# Allegro board 038RT-9068CJK8E-A100_0921.brd (continued)
## Routing (per net, layer and track width the routed paths; a pad name or vN(x,y) marks a point on that pad's centre or on a via; arc(x,y) is an arc through that point) (continued)
  L34_SIGNAL w0.105: SLOT1-UP.C12 419.06,349.42 422.87,349.42 423.55,350.1 423.55,379.93 420.21,383.26 267.67,383.26 261.12,376.72 261.12,353.72 259.13,351.72 257.26,351.72 256.58,351.04 256.58,346.34 257.44,345.48 258.9,345.48 261.15,343.23 261.15,322.13 244.26,305.24 244.26,260.01 240.09,255.84 240.09,204.08 244.13,200.05 275.67,200.05 276.86,198.85 ; 277.11,198.6 277.54,198.17 280.56,198.17 281.47,197.26 304.67,197.26 307.16,199.76 312.91,199.76 v1(313.76,198.91)
SLOT1.CH24: length 349.2
  L34_SIGNAL w0.105: SLOT1-UP.B11 421.05,345.67 422.82,345.67 426.08,342.42 426.08,313.34 414.31,301.58 347.16,301.58 342.32,296.74 342.32,278.16 345.05,275.43 355.74,275.43 357.03,274.15 357.03,247.9 365.42,239.51 436.31,239.51 442.62,233.2 442.62,199.18 442.2,198.75 440.36,198.75 437.77,196.16 429.22,196.16 427.77,197.6 427.77,204.31 428.63,205.17 431.97,205.17 433.05,204.08 433.05,199.62 v1(433.76,198.91)
SLOT1.CH25: length 181.8
  L32_SIGNAL w0.105: v2(313.76,258.91) 315.06,260.21 322.83,260.21 333.25,270.63 333.25,291.48 338.17,296.4 413.72,296.4 425.13,307.82 425.13,341.59 SLOT1-UP.A10
SLOT1.CH26: length 98.1
  L21_SIGNAL w0.102: 412.92,269.11 412.83,269.02 412.1,269.02 v1(411.7,268.62)
  L21_SIGNAL w0.105: 412.92,269.11 413.37,269.56 413.37,273.56 412.61,274.32 405.62,274.32 398,281.94 398,291.08 409.43,302.51 409.43,339.6 411.59,341.76 412.23,341.76 413.37,342.9 415.02,342.9 415.78,343.66 417.3,343.66 SLOT1-UP.C10
SLOT1.CH27: length 123.3
  L19_SIGNAL w0.102: 402.5,259.33 402.5,263.42 v1(402.9,263.82)
  L19_SIGNAL w0.105: 402.5,259.33 402.5,257.35 403.98,255.87 422.86,255.87 427.85,260.86 427.85,340.11 424.54,343.41 421.05,343.41 SLOT1-UP.B9
SLOT1.CH28: length 96.2
  L19_SIGNAL w0.102: 414.63,311.9 396.88,294.16 396.88,266.52 397.58,265.82 402.4,265.82 402.5,265.72 402.5,265.02 v1(402.9,264.62)
  L19_SIGNAL w0.105: SLOT1-UP.A8 423.73,340.54 426.45,337.82 426.45,323.72 414.63,311.9
SLOT1.CH29: length 119.3
  L19_SIGNAL w0.102: v1(403.7,263.82) 403.3,263.42 403.3,259.33
  L19_SIGNAL w0.105: SLOT1-UP.C8 419.27,341.63 424.29,341.63 427.34,338.58 427.34,261.24 423.78,257.68 404.61,257.68 403.3,258.99 403.3,259.33
SLOT1.CH30: length 95.8
  L19_SIGNAL w0.102: v1(401.3,264.62) 400.9,265.02 396.81,265.02
  L19_SIGNAL w0.105: 396.81,265.02 396.66,265.02 396.08,265.59 396.08,294.49 425.65,324.05 425.65,336.59 422.89,339.34 420.99,339.34 SLOT1-UP.B7
SLOT1.CH31: length 91.9
  L19_SIGNAL w0.102: 396.81,264.22 400.9,264.22 v1(401.3,263.82)
  L19_SIGNAL w0.105: SLOT1-UP.A6 423.28,336.54 424.85,334.98 424.85,324.39 395.28,294.82 395.28,265.26 396.33,264.22 396.81,264.22
SLOT1.CH32: length 317.4
  L44_SIGNAL w0.105: SLOT1-DOWN.B24 421.19,139.61 422.78,139.61 425.43,142.27 425.43,145.29 457.18,177.04 467.34,177.04 493.38,203.07 559.39,203.07 564.21,207.9 585.17,207.9 587.23,209.96 587.23,221.58 584.95,223.87 584.95,227.97 581.52,231.39 581.52,235.84 581.92,236.24 581.92,244.5 588.4,250.97 588.4,271.25 581.75,277.9 549.87,277.9 546.59,281.18 546.59,285.44 v2(545.96,286.07)
  BOTTOM w0.115: UNK3R347.2 v2(545.96,286.07)
SLOT1.CH33: length 315.9
  L44_SIGNAL w0.105: SLOT1-DOWN.A23 425.94,140.37 425.94,143.94 457.27,175.26 468.99,175.26 496.43,202.69 559.55,202.69 564.37,207.52 585.33,207.52 587.61,209.8 587.61,221.74 585.33,224.03 585.33,228.85 582.79,231.39 582.79,244.86 588.76,250.82 588.76,271.4 581.9,278.26 550.02,278.26 547.86,280.42 547.86,285.44 v2(547.23,286.07)
  BOTTOM w0.115: UNK3R348.2 v2(547.23,286.07)
SLOT1.CH34: length 74
  L21_SIGNAL w0.102: v1(412.5,203.02) 414.42,203.02 415.34,202.1 415.34,198.36 411.49,194.51 411.49,168.94 410.38,167.83 410.38,155.02 417.24,148.16 417.24,137.55 SLOT1-DOWN.C23
SLOT1.CH35: length 108.4
  L21_SIGNAL w0.105: v1(435.17,226.73) 432.27,226.73 421.33,215.8 421.33,200.99 414.72,194.37 414.72,191.45 413.32,190.06 413.32,169.33 411.24,167.25 411.24,157.29 421.2,147.32 421.2,135.63 SLOT1-DOWN.B22
  BOTTOM w0.115: v1(435.17,226.73) UNK1RR934.2
SLOT1.CH36: length 106.4
  L21_SIGNAL w0.105: SLOT1-DOWN.A21 424.1,134.53 424.1,146.05 417.76,152.39 417.76,189.71 416.15,191.33 416.15,193.75 422.17,199.77 422.17,215.43 431.44,224.7 v1(435.17,224.7)
  BOTTOM w0.115: v1(435.17,224.7) UNK1RR531.2
SLOT1.CH37: length 86
  L21_SIGNAL w0.102: SLOT1-DOWN.C21 419.13,133.56 419.13,147.64 410.78,156 410.78,167.58 412.58,169.38 412.58,190.23 413.78,191.43 413.78,195.21 416.73,198.17 416.73,205.78 413.5,209.02 412.1,209.02 v1(411.7,208.62)
SLOT1.CH38: length 382.2
  L34_SIGNAL w0.105: SLOT1-DOWN.B20 421.13,129.67 422.64,129.67 424.54,127.76 424.54,112.37 433.09,103.82 436.97,103.82 438.04,104.89 438.95,104.89 440.15,103.69 447.33,103.69 454.21,110.57 454.21,158.98 471.15,175.92 471.15,182.37 476.49,187.71 476.49,287.02 470.77,292.74 352.19,292.74 v1(343.73,284.28)
SLOT1.CH39: length 313.9
  L32_SIGNAL w0.105: v1(343.73,224.28) 346.91,227.46 383.52,227.46 385.05,228.98 433.05,228.98 434.07,230 438.13,230 439.15,228.98 467.09,228.98 470.39,225.68 470.39,199.9 469.25,198.75 469.25,189.92 455.52,176.19 455.52,109.29 447.87,101.65 440.23,101.65 439.61,101.03 437.52,101.03 436.65,101.9 427.8,101.9 424.93,104.78 424.93,122.43 423.78,123.57 423.78,127.01 SLOT1-DOWN.A19
SLOT1.CH40: length 334.9
  L34_SIGNAL w0.105: SLOT1-DOWN.C19 417.25,129.54 414.77,129.54 414.13,128.91 412.73,128.91 411.84,129.79 407.4,129.79 402.7,134.49 402.7,141.73 390.51,153.92 290.43,153.92 274.81,169.55 229.35,169.55 214.99,183.9 214.99,212.09 219.06,216.15 219.06,279.61 v1(223.73,284.28)
SLOT1.CH41: length 286.2
  L32_SIGNAL w0.105: SLOT1-DOWN.B18 419.03,127.76 415.27,127.76 414.26,128.78 413.24,128.78 412.35,127.89 410.83,127.89 410.07,128.65 406.76,128.65 400.8,134.62 400.8,143.73 381.21,163.32 224.01,163.32 215.12,172.21 215.12,195.07 214.49,195.71 214.49,215.01 v1(223.73,224.26)
SLOT1.CH42: length 105
  L21_SIGNAL w0.105: SLOT1-DOWN.A17 423.48,124.61 424.3,125.44 424.3,127.05 425.98,128.73 425.98,162.38 426.51,162.92 426.51,190.92 425.25,192.19 425.25,214.91 428.94,218.61 v1(435.17,218.61)
  BOTTOM w0.115: v1(435.17,218.61) UNK1RR932.2
SLOT1.CH43: length 112.7
  L21_SIGNAL w0.105: SLOT1-DOWN.C17 419.21,125.64 420.48,125.64 421.1,126.26 421.1,126.73 421.92,127.55 422.61,127.55 425,129.93 425,146.41 418.88,152.53 418.88,190.96 423.38,195.46 423.38,214.42 429.6,220.64 v1(435.17,220.64)
  BOTTOM w0.115: v1(435.17,220.64) UNK1RR931.2
SLOT1.CH44: length 100.1
  L21_SIGNAL w0.105: SLOT1-DOWN.B16 420.94,123.37 423.85,123.37 424.96,124.49 424.96,127.09 427.17,129.3 427.17,211.42 428.48,212.72 430.37,212.72 UNK1K34.2
SLOT1.CH45: length 93.2
  L21_SIGNAL w0.105: SLOT1-DOWN.A15 424.37,120.61 427.9,124.14 427.9,126.86 429.08,128.04 429.08,162.47 429.75,163.14 429.75,207.39 430.59,208.23 v1(430.59,209.07)
SLOT1.CH46: length 100.1
  L21_SIGNAL w0.105: UNK1K34.7 432.32,211.63 428.33,207.65 428.33,162.49 427.92,162.08 427.92,127.84 427.22,127.14 427.22,124.47 424.09,121.34 418.91,121.34 SLOT1-DOWN.C15
SLOT1.CH47: length 92.4
  L21_SIGNAL w0.105: SLOT1-DOWN.B14 420.9,117.89 425.26,117.89 429.85,122.49 429.85,153.34 432.93,156.41 432.93,200.61 v1(433.76,201.45)
SLOT1.CH48: length 103.2
  L21_SIGNAL w0.105: v1(433.76,209.07) 436.23,206.6 436.23,158.19 431.57,153.54 431.57,119.42 428.76,116.61 SLOT1-DOWN.A13
SLOT1.CH49: length 99.2
  L21_SIGNAL w0.105: v2(433.76,203.99) 434.72,203.03 434.72,157.44 431.04,153.76 431.04,121.67 426.7,117.34 418.91,117.34 SLOT1-DOWN.C13
SLOT1.CH50: length 107.7
  L21_SIGNAL w0.105: SLOT1-DOWN.B12 421.18,115.61 429.29,115.61 432.05,118.36 432.05,153.34 438.39,159.68 438.39,193.36 438.77,193.74 438.77,207.24 v1(436.94,209.07)
SLOT1.CH51: length 128.4
  L21_SIGNAL w0.105: SLOT1-DOWN.A11 430.6,112.61 433.09,115.1 433.09,152.91 439.52,159.33 439.52,184.65 443.56,188.68 443.56,200.05 440.67,202.93 440.67,208.05 438.39,210.34 438.39,224.11 v1(438.98,224.7)
  BOTTOM w0.115: v1(438.98,224.7) UNK1RR534.2
SLOT1.CH52: length 128.7
  L21_SIGNAL w0.105: SLOT1-DOWN.C11 419.16,111.63 430.55,111.63 433.65,114.73 433.65,152.66 440.42,159.43 440.42,184.28 445.46,189.32 445.46,212.13 v1(438.98,218.61)
  BOTTOM w0.115: v1(438.98,218.61) UNK1RR532.2
SLOT1.CH53: length 133.5
  L21_SIGNAL w0.105: SLOT1-DOWN.B10 421,109.79 431.25,109.79 434.12,112.66 434.12,152.29 441.02,159.18 441.02,180.33 444.69,184 444.69,186.92 447.51,189.74 447.51,213.64 441.44,219.71 439.91,219.71 v1(438.98,220.64)
  BOTTOM w0.115: v1(438.98,220.64) UNK1RR530.2
SLOT1.CH54: length 372.5
  L34_SIGNAL w0.105: v1(343.73,290.66) 348.35,295.27 472.3,295.27 479.28,288.29 479.28,188.72 472.17,181.61 472.17,175.07 455.82,158.72 455.82,106.81 448.84,99.83 440.5,99.83 439.5,100.84 438.25,100.84 437.32,99.9 434.1,99.9 431.27,102.74 428.06,102.74 SLOT1-DOWN.A9
SLOT1.CH55: length 315.5
  L32_SIGNAL w0.105: v1(343.73,230.66) 347.01,233.93 471.28,233.93 474.33,230.89 474.33,206.14 472.02,203.83 472.02,189.69 457.51,175.19 457.51,107.47 447.78,97.73 440.37,97.73 439.56,96.92 437.97,96.92 437.05,97.83 426.35,97.83 422.89,101.29 422.89,107.06 422.39,107.57 419.22,107.57 SLOT1-DOWN.C9
SLOT1.CH56: length 368.9
  L34_SIGNAL w0.105: SLOT1-DOWN.B8 419.35,107.44 415.53,107.44 414.13,108.84 413.24,108.84 412.23,107.82 411.08,107.82 410.32,108.58 403.84,108.58 398.51,113.92 398.51,141.1 387.84,151.76 288.91,151.76 272.78,167.89 227.95,167.89 211.69,184.15 211.69,212.85 216.39,217.55 216.39,283.31 v1(223.73,290.66)
SLOT1.CH57: length 317.7
  L32_SIGNAL w0.105: v1(223.73,230.66) 211.57,218.49 211.57,170.05 220.33,161.29 376.89,161.29 395.72,142.46 395.72,119 408.67,106.04 411.84,106.04 412.99,104.9 414.77,104.9 415.53,105.66 421.13,105.66 SLOT1-DOWN.A7
SLOT1.CH58: length 142.6
  L21_SIGNAL w0.105: SLOT1-DOWN.C7 419.41,105.84 431.34,105.84 434.68,109.18 434.68,151.84 441.73,158.89 441.73,179.95 448.12,186.33 448.12,215.7 442.07,221.74 439.91,221.74 v1(438.98,222.67)
  BOTTOM w0.115: v1(438.98,222.67) UNK1RR935.2
SLOT1.CH60: length 181.1
  L21_SIGNAL w0.105: S1_TAPSL0.2 564.63,50.2 564.63,68.96 556.63,76.95 446.87,76.95 433.94,89.89 433.94,95.38 429.24,100.08 422.72,100.08 SLOT1-DOWN.A5
  BOTTOM w0.115: UNK1RD79.2 S1_TAPSL0.2
SLOT1.CH61: length 172.3
  L21_SIGNAL w0.105: S1_TAPSL1.2 554.21,50.45 554.21,64.65 542.74,76.12 446.53,76.12 433.1,89.54 433.1,95.05 428.66,99.49 419.3,99.49 SLOT1-DOWN.C5
  BOTTOM w0.115: UNK1RD80.2 S1_TAPSL1.2
SLOT1.CH62: length 350.9
  L44_SIGNAL w0.105: v2(110.76,45.55) 110.76,59.98 116.44,65.66 404.69,65.66 421.14,82.11 421.14,97.66 SLOT1-DOWN.B4
SLOT1.CH63: length 166
  L21_SIGNAL w0.105: v1(343.73,203) 343.73,177.51 349.12,172.12 384.92,172.12 398.36,158.69 398.36,111.46 407.98,101.84 411.96,101.84 412.95,100.84 414.3,100.84 415.45,99.69 415.45,98.14 415.96,97.63 421.16,97.63 SLOT1-DOWN.A3
SLOT1.CH65: length 232
  L21_SIGNAL w0.105: v1(343.73,213.31) 344.51,214.09 344.51,257.82 340.32,262.01 340.32,278.55 341.92,280.15 341.92,315.8 354.74,328.62 354.74,376.74 360.07,382.07 408.39,382.07 SLOT1-UP.F27
SLOT1.CH66: length 152.9
  L21_SIGNAL w0.105: SLOT1-UP.E25 409.91,375.77 399.02,364.87 399.02,313.06 379.07,293.12 357.87,293.12 346.19,281.43 346.19,268.62 v1(343.73,266.17)
SLOT1.CH67: length 111.7
  L21_SIGNAL w0.105: SLOT1-UP.D25 413.13,374.54 412.48,373.89 410.7,373.89 400.16,363.35 400.16,311.4 373.93,285.17 UNK3K223.3
SLOT1.CH68: length 153.3
  L21_SIGNAL w0.105: SLOT1-UP.F25 411.55,374.9 410.19,374.9 399.65,364.36 399.65,312.42 378.82,291.59 357.87,291.59 346.82,280.54 346.82,266.06 v1(343.73,262.97)
SLOT1.CH69: length 114
  L21_SIGNAL w0.105: UNK3K11.3 374.44,277.55 378.32,281.43 378.32,285.75 401.18,308.61 401.18,361.57 411.37,371.77 SLOT1-UP.E23
SLOT1.CH70: length 135.6
  L32_SIGNAL w0.105: v1(430.59,261.45) 432.78,259.26 432.78,258.58 433.3,258.06 435.57,258.06 436.2,258.69 436.2,264.55 435.45,265.3 433.91,265.3 433.05,266.16 433.05,269.44 433.58,269.97 434.79,269.97 435.74,270.92 435.74,277 434.5,278.24 434.5,287.7 427.46,294.74 427.46,365.91 423.74,369.64 417.09,369.64 SLOT1-UP.D23
SLOT1.CH71: length 191.8
  L32_SIGNAL w0.105: SLOT1-UP.F23 403.92,363 403.92,313.66 395.37,305.11 332.06,305.11 321.8,294.84 321.8,275.17 320.62,273.99 320.62,265.44 317.76,262.58 311.72,262.58 v1(310.59,261.45)
SLOT1.CH72: length 331.8
  L34_SIGNAL w0.105: v1(430.59,201.45) 429.78,200.64 429.78,198.09 431.25,196.62 437.17,196.62 441.18,200.63 441.18,209.6 440.72,210.07 440.72,212.63 442.03,213.94 442.03,228.89 431.95,238.96 364.64,238.96 354.29,249.31 354.29,269.97 352.53,271.74 343.49,271.74 340.5,274.73 340.5,280.61 341.25,281.36 341.25,298.04 346.11,302.91 394.02,302.91 405.89,314.78 405.89,362.76 410.9,367.77 SLOT1-UP.E21
SLOT1.CH73: length 397.8
  L34_SIGNAL w0.105: v1(310.59,201.45) 309.86,202.17 309.86,209.49 310.75,210.38 310.75,215.46 309.61,216.61 309.61,224.41 294.62,239.4 294.62,245.75 296.66,247.78 296.66,250.44 294.37,252.73 294.37,335.28 284.08,345.57 275.95,345.57 274.76,346.77 273.61,346.77 272.58,345.73 261.38,345.73 259.64,347.47 257.69,347.47 256.9,348.26 256.9,350.92 257.3,351.32 259.38,351.32 261.93,353.87 261.93,375.56 268.6,382.23 419.17,382.23 421.34,380.06 421.34,368.64 420.23,367.53 417.18,367.53 SLOT1-UP.D21
SLOT1.CH74: length 157
  L21_SIGNAL w0.102: 406.5,258.33 406.5,264.85 406.33,265.02 404.1,265.02 v1(403.7,264.62)
  L21_SIGNAL w0.105: 406.5,258.33 406.5,257.29 404.22,255.02 391.02,255.02 380.09,265.94 380.09,286.26 401.81,307.98 401.81,357.89 410.69,366.77 SLOT1-UP.F21
SLOT1.CH75: length 148.9
  L21_SIGNAL w0.102: 405.7,257.74 405.7,258.33 405.7,258.33 405.7,262.62 v1(404.5,263.82)
  L21_SIGNAL w0.105: 405.7,257.74 405.7,257.25 403.84,255.4 391.91,255.4 386.57,260.73 385.94,260.73 382.25,264.41 382.25,287.27 402.45,307.47 402.45,355.6 410.61,363.77 SLOT1-UP.E19
SLOT1.CH76: length 142.5
  L21_SIGNAL w0.102: v1(403.7,262.22) 404.1,261.82 404.1,258.6 404.1,258.6
  L21_SIGNAL w0.105: SLOT1-UP.D19 414.58,360.93 412.86,360.93 412.23,361.57 410.83,361.57 403.72,354.46 403.72,306.83 383.52,286.64 383.52,281.18 389.62,275.08 389.62,260.35 393.3,256.67 403.21,256.67 404.1,257.55 404.1,258.6
SLOT1.CH77: length 142.4
  L21_SIGNAL w0.102: 404.9,258.6 404.9,258.6 404.9,261.82 v1(404.5,262.22)
  L21_SIGNAL w0.105: SLOT1-UP.F19 410.37,362.77 403.08,355.47 403.08,306.97 382.89,286.78 382.89,266.57 384.92,264.54 386.57,264.54 389.11,262 389.11,258.83 391.74,256.2 403.51,256.2 404.89,257.58 404.89,257.74 404.9,257.74 404.9,258.6
SLOT1.CH78: length 129.2
  L21_SIGNAL w0.102: v1(402.9,262.22) 403.3,261.82 403.3,258.6
  L21_SIGNAL w0.105: SLOT1-UP.E17 410.68,359.77 404.26,353.35 404.26,306.36 393.81,295.91 393.81,283.46 390.25,279.91 390.25,260.86 393.65,257.47 402.88,257.47 403.3,257.88 403.3,258.6
SLOT1.CH79: length 109.3
  L21_SIGNAL w0.102: 397.62,265.02 400.1,265.02 v1(400.5,264.62)
  L21_SIGNAL w0.105: 397.62,265.02 395.21,267.43 395.21,295.37 405.45,305.61 405.45,352.38 410.57,357.5 412.23,357.5 412.73,357 414.64,357 SLOT1-UP.D17
SLOT1.CH80: length 107.2
  L21_SIGNAL w0.102: 397.41,264.62 397.82,264.22 400.1,264.22 v1(400.5,263.82)
  L21_SIGNAL w0.105: SLOT1-UP.F17 410.95,358.77 404.86,352.68 404.86,305.83 394.57,295.54 394.57,277.24 393.43,276.1 393.43,272.16 394.51,271.08 394.51,267.53 397.41,264.62
SLOT1.CH81: length 106.7
  L21_SIGNAL w0.102: v1(403.7,265.42) 403.3,265.82 397.36,265.82 396.85,266.33
  L21_SIGNAL w0.105: 396.85,266.33 395.59,267.59 395.59,294.39 406,304.8 406,351.92 409.85,355.77 SLOT1-UP.E15
SLOT1.CH82: length 105
  L21_SIGNAL w0.102: 396.85,267.83 397.25,267.42 403.3,267.42 v1(403.7,267.02)
  L21_SIGNAL w0.105: SLOT1-UP.D15 413.2,354.54 412.35,353.69 410.83,353.69 407.21,350.08 407.21,303.72 396.35,292.86 396.35,268.32 396.85,267.83
SLOT1.CH83: length 102.5
  L21_SIGNAL w0.102: 396.85,267.03 397.25,266.62 403.3,266.62 v1(403.7,266.22)
  L21_SIGNAL w0.105: 396.85,267.03 395.97,267.9 395.97,293.5 406.76,304.29 406.76,351.03 410.5,354.77 SLOT1-UP.F15
SLOT1.CH85: length 90.8
  L21_SIGNAL w0.102: 405.09,273.84 405.3,273.63 v1(405.3,273.42)
  L21_SIGNAL w0.105: 405.09,273.84 397.24,281.69 397.24,291.46 408.67,302.89 408.67,345.06 411.46,347.85 412.35,347.85 413.5,349 414.64,349 SLOT1-UP.D13
  BOTTOM w0.115: UNK3R110.1 v1(405.3,273.42)
SLOT1.CH86: length 142.1
  L44_SIGNAL w0.105: v1(343.73,270.11) 336.17,270.11 333.23,273.05 333.23,294.22 336.77,297.77 371.25,297.77 398.67,325.19 398.67,337.75 SLOT1-UP.F13
SLOT1.CH87: length 110.8
  L44_SIGNAL w0.105: v1(343.73,281.11) 346.31,283.69 346.31,292.85 350.14,296.67 373.42,296.67 400.44,323.69 400.44,337.63 410.57,347.77 SLOT1-UP.E11
SLOT1.CH88: length 193.9
  L44_SIGNAL w0.105: SLOT1-UP.F11 403.88,338.96 403.88,315.53 418.74,300.67 460.75,300.67 483.26,278.16 538.65,278.16 539.66,277.14 v1(539.66,275.26)
  BOTTOM w0.115: v1(539.66,275.26) 539.66,277.39 539.12,277.94 UNK3R328.1
SLOT1.CH89: length 193.4
  L44_SIGNAL w0.105: v1(539.66,273.73) 540.5,274.57 540.5,277.29 539.04,278.75 484.01,278.75 459.71,303.05 418.21,303.05 405.38,315.88 405.38,338.62 410.53,343.77 SLOT1-UP.E9
  BOTTOM w0.115: v1(539.66,273.73) 539.66,272.23 538.49,271.06 UNK3R327.1
SLOT1.CH90: length 123.1
  L19_SIGNAL w0.1: SLOT1-UP.F9 410.06,341.14 410.06,340.24 396.33,326.5 355.31,326.5 344.28,315.47 344.28,276.61 343.51,275.84 342.69,275.84 342.59,275.94 v1(342.59,276.63)
  BOTTOM w0.115: v1(342.59,276.63) 341.94,275.98 MUX1.6
SLOT1.CH91: length 126
  L19_SIGNAL w0.1: SLOT1-UP.E7 413.42,340.56 412.03,341.96 411.39,341.96 410.45,341.01 410.45,340.11 396.48,326.14 355.46,326.14 344.64,315.32 344.64,276.46 343.66,275.47 342.69,275.47 342.59,275.37 v1(342.59,274.68)
  BOTTOM w0.115: v1(342.59,274.68) 341.94,275.33 MUX1.7
SLOT1.CH92: length 142.5
  L19_SIGNAL w0.1: v1(342.59,253.77) 342.59,253.08 342.69,252.98 344.27,252.98 346.19,254.89 346.19,314.45 348.87,317.14 356.45,324.72 397.22,324.72 409.43,336.93 409.85,336.93 SLOT1-UP.F7
  BOTTOM w0.115: MUX10.6 341.94,253.12 v1(342.59,253.77)
SLOT1.CH93: length 143.8
  L19_SIGNAL w0.1: 410.19,336.55 409.56,336.55 397.37,324.36 356.61,324.36 349.24,316.99 349.24,316.99 346.55,314.3 346.55,254.74 344.42,252.61 342.69,252.61 342.59,252.51 v1(342.59,251.82)
  L19_SIGNAL w0.105: SLOT1-UP.E5 410.98,335.77 410.19,336.55
  BOTTOM w0.115: MUX10.7 341.94,252.47 v1(342.59,251.82)
SLOT1.CH94: length 145.6
  L19_SIGNAL w0.1: SLOT1-UP.F5 410.03,333.1 408.27,333.1 398.74,323.58 368.01,323.58 360.43,316 360.43,280.82 356.7,277.1 355.05,277.1 353.57,275.61 353.57,251.1 344.01,241.55 342.69,241.55 342.59,241.65 v1(342.59,242.34)
  BOTTOM w0.115: MUX7.6 341.94,241.69 v1(342.59,242.34)
SLOT1.CH95: length 147.1
  L19_SIGNAL w0.1: 410.45,332.74 408.42,332.74 398.89,323.22 368.16,323.22 360.79,315.85 360.79,280.67 356.85,276.73 355.2,276.73 353.93,275.46 353.93,250.95 344.16,241.18 342.69,241.18 342.59,241.08 v1(342.59,240.39)
  L19_SIGNAL w0.105: 410.45,332.74 411.42,331.77 SLOT1-UP.E3
  BOTTOM w0.115: MUX7.7 341.94,241.04 v1(342.59,240.39)
SLOT1.CH96: length 69.6
  L21_SIGNAL w0.102: v1(404.5,203.82) 405.7,202.62 405.7,198.33 405.7,198.33 405.7,197.59 409.06,194.22 409.06,185.97 407.37,184.28 407.37,156.35
  L21_SIGNAL w0.105: 407.37,156.35 407.37,143.56 409.1,141.84 SLOT1-DOWN.E25
SLOT1.CH97: length 69.3
  L21_SIGNAL w0.102: v1(411.7,200.62) 412.1,201.02 413.76,201.02 414.27,200.51 414.27,198.75 410.96,195.44 410.96,169.16 409.85,168.05 409.85,154.32 414.99,149.17 414.99,139.8 SLOT1-DOWN.D24
SLOT1.CH98: length 68.7
  L21_SIGNAL w0.102: v1(404.5,202.22) 404.9,201.82 404.9,198.6 404.9,198.6
  L21_SIGNAL w0.105: SLOT1-DOWN.F24 408.86,138.84 406.97,140.73 406.97,156.35 406.97,156.35 406.97,184.7 407.78,185.51 407.78,194.7 404.9,197.59 404.9,198.6
SLOT1.CH99: length 72.2
  L21_SIGNAL w0.102: v1(403.7,202.22) 404.1,201.82 404.1,198.6 404.1,198.6
  L21_SIGNAL w0.105: 404.1,198.6 404.1,194.08 403.44,193.42 403.44,171.27 406.37,168.34 406.37,156.6 406.37,156.6 406.37,139.36 407.89,137.84 SLOT1-DOWN.E23
SLOT1.CH100: length 77.3
  L21_SIGNAL w0.102: v1(403.7,204.62) 404.1,205.02 406.33,205.02 406.5,204.85 406.5,198.33
  L21_SIGNAL w0.105: SLOT1-DOWN.D22 414.58,136.22 414.58,148.5 409.43,153.65 409.43,194.53 406.5,197.46 406.5,198.33
SLOT1.CH101: length 74.1
  L21_SIGNAL w0.102: v1(402.9,202.22) 403.3,201.82 403.3,198.6 403.3,198.6
  L21_SIGNAL w0.105: 403.3,198.6 403.3,194.26 402.84,193.8 402.84,170.95 405.77,168.02 405.77,156.85 405.77,156.84 405.77,136.22 407.16,134.84 SLOT1-DOWN.F22
SLOT1.CH102: length 389
  L34_SIGNAL w0.105: v1(343.73,277.91) 357.67,291.85 470.26,291.85 475.47,286.64 475.47,206.12 470.14,200.79 470.14,175.81 453.61,159.28 453.61,111.4 447.79,105.58 440.79,105.58 439.55,106.83 438.12,106.83 437.24,105.95 433.46,105.95 425.31,114.11 425.31,131.19 422.66,133.84 SLOT1-DOWN.E21
SLOT1.CH103: length 317
  L32_SIGNAL w0.105: v1(343.73,217.91) 352.27,226.44 384.16,226.44 385.56,227.84 466.58,227.84 469.12,225.3 469.12,201.55 467.72,200.15 467.72,189.65 454.1,176.02 454.1,110.3 447.43,103.62 439.96,103.62 439.22,102.89 437.98,102.89 437.03,103.84 427.9,103.84 425.81,105.92 425.81,122.68 424.93,123.57 424.93,128.52 423.66,129.79 417,129.79 SLOT1-DOWN.D20
SLOT1.CH104: length 314.5
  L34_SIGNAL w0.105: v1(223.73,277.91) 220.2,274.37 220.2,180.97 228.33,172.85 275.45,172.85 291.45,156.84 392.29,156.84 406.51,142.62 406.51,136.01 SLOT1-DOWN.F20
SLOT1.CH105: length 263.9
  L32_SIGNAL w0.105: v1(223.73,217.91) 220.96,215.14 220.96,211.45 220.2,210.69 220.2,174.37 227.82,166.75 384.38,166.75 404.86,146.27 404.86,133.99 409.01,129.84 SLOT1-DOWN.E19
SLOT1.CH106: length 114.7
  L21_SIGNAL w0.105: v1(435.17,222.67) 434.01,222.67 433.14,221.81 429.73,221.81 422.96,215.04 422.96,198.64 421.17,196.85 421.17,193.79 418.3,190.93 418.3,152.5 424.6,146.2 424.6,131.69 422.58,129.67 417.94,129.67 417.09,128.82 417.09,127.52 SLOT1-DOWN.D18
  BOTTOM w0.115: v1(435.17,222.67) UNK1RR533.2
SLOT1.CH107: length 90.8
  L21_SIGNAL w0.102: 396.03,198.56 396.03,203.38 396.87,204.22 400.1,204.22 v1(400.5,203.82)
  L21_SIGNAL w0.105: 396.03,198.56 396.03,176.7 405.01,167.72 405.01,128.77 406.94,126.84 SLOT1-DOWN.F18
SLOT1.CH108: length 94.9
  L21_SIGNAL w0.102: v1(400.5,204.62) 400.1,205.02 396.54,205.02 395.56,204.04 395.56,198.31
  L21_SIGNAL w0.105: SLOT1-DOWN.E17 407.03,125.84 404.21,128.66 404.21,167.39 395.56,176.03 395.56,198.31
SLOT1.CH109: length 107.7
  L21_SIGNAL w0.105: v2(434.72,216.86) 433.56,215.7 433.56,214.25 428.99,209.68 428.33,209.68 427.89,209.23 427.89,162.86 427.57,162.55 427.57,128.78 425.61,126.82 425.61,123.86 423.59,121.84 416.95,121.84 SLOT1-DOWN.D16
SLOT1.CH110: length 105.5
  L21_SIGNAL w0.102: 395.18,193.89 391.13,197.94 391.13,203.44 392.68,204.99 394.93,204.99 395.76,205.82 403.3,205.82 v1(403.7,205.42)
  L21_SIGNAL w0.105: 395.18,193.89 395.18,175.28 403.4,167.06 403.4,126.65 407.22,122.84 SLOT1-DOWN.F16
SLOT1.CH111: length 110
  L21_SIGNAL w0.102: 393.89,194.25 390.69,197.45 390.69,204.7 392.61,206.62 403.3,206.62 v1(403.7,206.22)
  L21_SIGNAL w0.105: 393.89,194.25 393.89,175.44 402.6,166.72 402.6,126.32 407.09,121.84 SLOT1-DOWN.E15
SLOT1.CH112: length 99.1
  L21_SIGNAL w0.105: SLOT1-DOWN.D14 417.12,119.55 424.93,119.55 429.45,124.07 429.45,153.82 431.38,155.75 431.38,205.74 v1(430.59,206.53)
SLOT1.CH113: length 118.8
  L21_SIGNAL w0.102: 401.8,164.68 384.37,182.11 384.37,193.89 389.1,198.62 389.1,204.44 392.07,207.42 403.3,207.42 v1(403.7,207.02)
  L21_SIGNAL w0.105: 401.8,164.68 401.8,122.08 405.04,118.84 SLOT1-DOWN.F14
SLOT1.CH115: length 135
  L21_SIGNAL w0.105: SLOT1-DOWN.D12 417.13,113.66 425.5,113.66 426.27,114.43 430.08,114.43 432.56,116.92 432.56,153.11 439.14,159.69 439.14,184.8 443.18,188.84 443.18,199.89 440.29,202.78 440.29,207.89 438.01,210.18 438.01,225.76 v1(438.98,226.73)
  BOTTOM w0.115: v1(438.98,226.73) UNK1RR535.2
SLOT1.CH116: length 138.3
  L21_SIGNAL w0.102: 405.3,213.84 v1(405.3,213.42)
  L21_SIGNAL w0.105: 405.3,213.84 405.3,213.86 404.81,214.35 385.57,214.35 382.69,211.47 382.69,183.77 382.01,183.1 382.01,181.57 400.63,162.95 400.63,120.11 405.9,114.84 SLOT1-DOWN.F12
  BOTTOM w0.115: UNK1R110.1 v1(405.3,213.42)
SLOT1.CH117: length 132.1
  L21_SIGNAL w0.105: 371.95,222.63 373.62,220.96 373.62,216.92 375.27,215.26 375.27,200.15 373.11,197.99 373.11,188.94 400.06,161.99 400.06,119.75 405.97,113.84 SLOT1-DOWN.E11
SLOT1.CH118: length 375
  L34_SIGNAL w0.105: SLOT1-DOWN.D10 417.07,109.73 425.43,109.73 433.31,101.84 437.34,101.84 438.25,102.76 438.87,102.76 439.98,101.65 447.87,101.65 455.36,109.14 455.36,158.92 471.66,175.23 471.66,181.99 478.52,188.85 478.52,287.65 472.17,294 350.28,294 v1(343.73,287.46)
SLOT1.CH119: length 315.4
  L32_SIGNAL w0.105: v1(343.73,227.46) 348.43,232.16 467.98,232.16 471.66,228.47 471.66,219.2 471.03,218.57 471.03,196.34 470.14,195.45 470.14,189.98 455.94,175.79 455.94,107.72 447.91,99.69 440.49,99.69 439.73,98.93 437.98,98.93 437,99.92 425.59,99.92 423.4,102.11 423.4,108.71 422.39,109.73 415.53,109.73 414.42,110.84 SLOT1-DOWN.F10
SLOT1.CH120: length 353.7
  L34_SIGNAL w0.105: v1(223.73,287.46) 217.28,281 217.28,217.17 212.33,212.22 212.33,184.66 228.33,168.66 273.8,168.66 289.8,152.65 388.35,152.65 399.78,141.22 399.78,117.09 407.04,109.84 SLOT1-DOWN.E9
SLOT1.CH121: length 299.9
  L32_SIGNAL w0.105: SLOT1-DOWN.F8 398,120.52 398,143.35 379.05,162.31 221.98,162.31 212.33,171.96 212.33,216.05 v1(223.73,227.46)
